# KiCad board travis_erg2024.kicad_pcb-wired-gnd.kicad_pcb
title: travis_erg2024; rev: 2024.03.17; company: Travis Hardiman
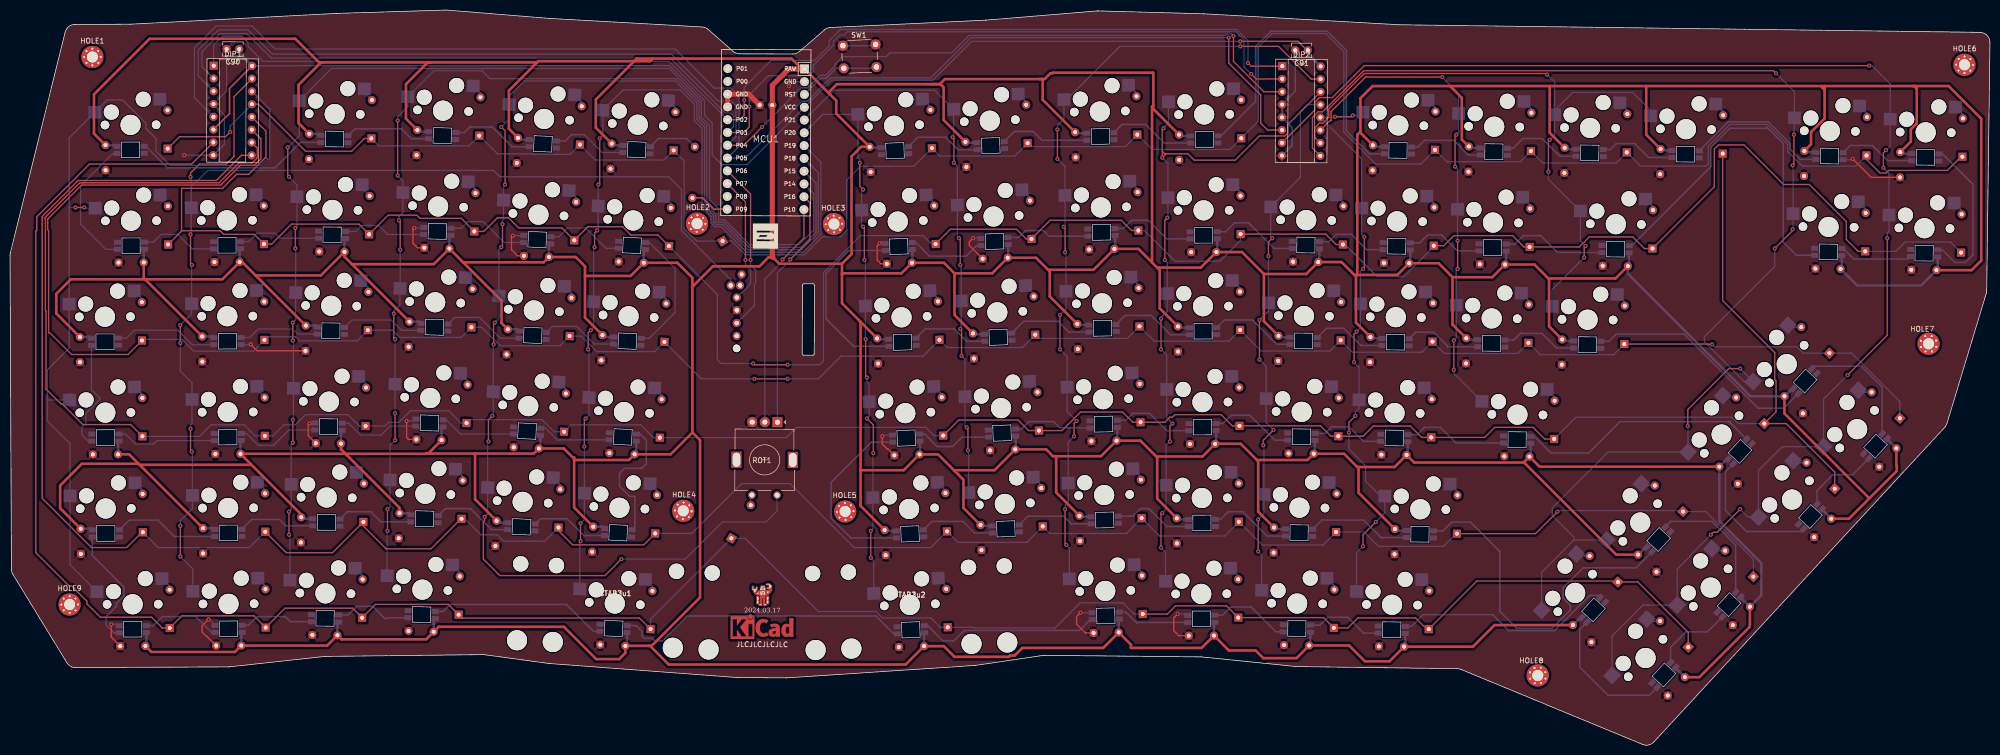
[diagram p0: board, top side]
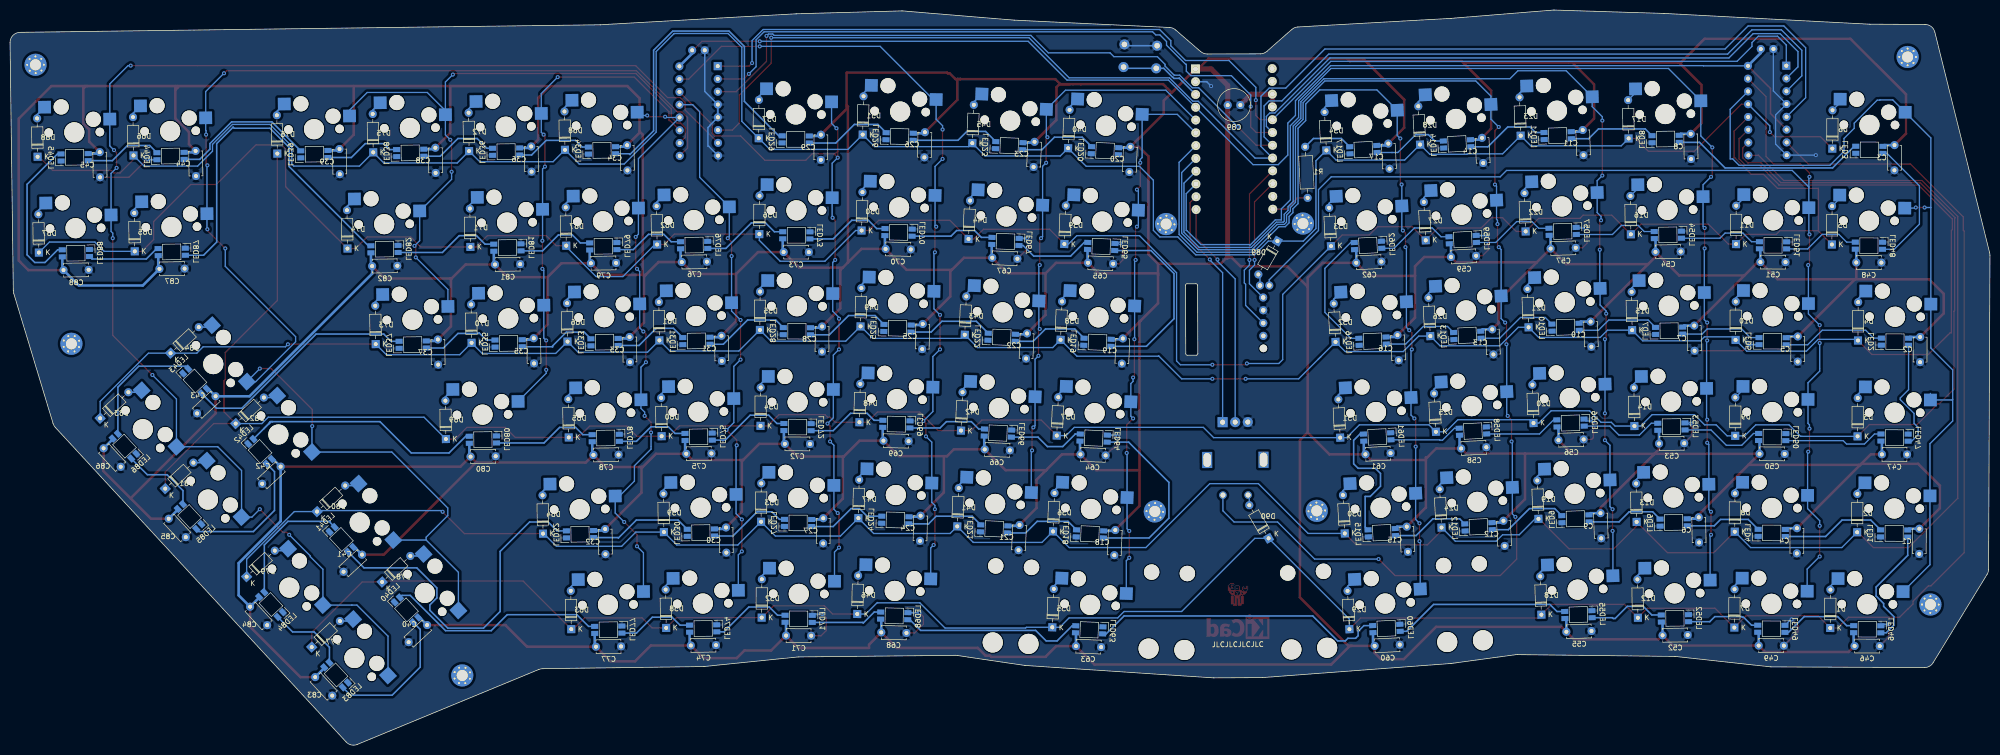
[diagram p1: board, bottom side, seen from below]

Outline 393.31 x 146.01 mm; copper layers: Top, Bottom. Coordinates in mm from the lower left corner of the outline.
Outline path: 0,97.27 arc(0.01,97.52) 0.06,97.76 10.95,141.63 arc(11.66,142.73) 12.88,143.15 23.8,143.2 arc(23.85,143.2) 23.9,143.2 64.73,145.35 arc(64.75,145.35) 64.77,145.35 86.51,146.01 arc(86.62,146.01) 86.74,146.01 107.02,144.36 arc(107.04,144.36) 107.07,144.35 137.48,142.65 arc(138.13,142.5) 138.69,142.15 143.62,137.81 arc(144.23,137.44) 144.94,137.31 155.49,137.28 arc(156.19,137.41) 156.8,137.77 161.77,142.07 arc(162.34,142.41) 162.99,142.56 193.8,144.01 arc(193.84,144.01) 193.87,144.02 215.94,145.84 arc(216.04,145.84) 216.15,145.84 237.1,145.27 arc(237.12,145.27) 237.15,145.27 276,143.09 arc(276.04,143.09) 276.08,143.09 391.33,141.58 arc(392.74,140.97) 393.31,139.55 392.66,90.26 arc(392.64,89.98) 392.58,89.71 384.76,63.87 arc(384.58,63.46) 384.32,63.09 326.54,0.6 arc(325.5,0) 324.31,0.1 288.25,15 arc(287.89,15.11) 287.51,15.15 255.61,15.57 arc(255.52,15.57) 255.43,15.58 236.77,17.48 arc(236.68,17.49) 236.59,17.49 205.47,17.81 arc(205.31,17.8) 205.16,17.78 191.82,15.82 arc(191.75,15.81) 191.66,15.8 154.31,13.34 arc(154.24,13.33) 154.17,13.33 144.57,13.38 arc(144.5,13.38) 144.43,13.39 107.08,16.18 arc(107.02,16.19) 106.96,16.19 94.19,17.93 arc(94.04,17.95) 93.89,17.95 62.58,17.59 arc(62.48,17.59) 62.38,17.58 43.56,15.52 arc(43.46,15.51) 43.35,15.51 13.01,15.38 arc(12.03,15.63) 11.29,16.33 0.57,33.9 arc(0.35,34.39) 0.27,34.93 0,97.27

## Placement (name value [footprint] x y rotation side)
C1  -  [C_Disc_D4.7mm_W2.5mm_P5.00mm]  14.02 42.96 270.2 bottom
C2  -  [C_Disc_D4.7mm_W2.5mm_P5.00mm]  13.86 81.06 270.2 bottom
C3  -  [C_Disc_D4.7mm_W2.5mm_P5.00mm]  18.95 119.18 270.2 bottom
C4  -  [C_Disc_D4.7mm_W2.5mm_P5.00mm]  38.34 43.06 270.2 bottom
C5  -  [C_Disc_D4.7mm_W2.5mm_P5.00mm]  38.17 81.16 270.2 bottom
C6  -  [C_Disc_D4.7mm_W2.5mm_P5.00mm]  57.84 45.23 269.2 bottom
C7  -  [C_Disc_D4.7mm_W2.5mm_P5.00mm]  58.74 83.32 269.2 bottom
C8  -  [C_Disc_D4.7mm_W2.5mm_P5.00mm]  59.44 121.41 269.2 bottom
C9  -  [C_Disc_D4.7mm_W2.5mm_P5.00mm]  77.37 46.05 268.2 bottom
C10  -  [C_Disc_D4.7mm_W2.5mm_P5.00mm]  79.33 84.11 268.2 bottom
C11  -  [C_Disc_D4.7mm_W2.5mm_P5.00mm]  80.89 122.18 268.2 bottom
C12  -  [C_Disc_D4.7mm_W2.5mm_P5.00mm]  96.64 44.54 267.2 bottom
C13  -  [C_Disc_D4.7mm_W2.5mm_P5.00mm]  98.87 82.58 267.2 bottom
C14  -  [C_Disc_D4.7mm_W2.5mm_P5.00mm]  100.9 120.62 267.2 bottom
C15  -  [C_Disc_D4.7mm_W2.5mm_P5.00mm]  115.86 43.37 267.2 bottom
C16  -  [C_Disc_D4.7mm_W2.5mm_P5.00mm]  117.69 81.42 267.2 bottom
C17  -  [C_Disc_D4.7mm_W2.5mm_P5.00mm]  119.51 119.48 267.2 bottom
C18  -  [C_Disc_D4.7mm_W2.5mm_P5.00mm]  173.75 42.7 272.2 bottom
C19  -  [C_Disc_D4.7mm_W2.5mm_P5.00mm]  172.25 80.77 272.2 bottom
C20  -  [C_Disc_D4.7mm_W2.5mm_P5.00mm]  170.76 118.84 272.2 bottom
C21  -  [C_Disc_D4.7mm_W2.5mm_P5.00mm]  192.78 43.69 272.2 bottom
C22  -  [C_Disc_D4.7mm_W2.5mm_P5.00mm]  191.28 81.76 272.2 bottom
C23  -  [C_Disc_D4.7mm_W2.5mm_P5.00mm]  189.78 119.83 272.2 bottom
C24  -  [C_Disc_D4.7mm_W2.5mm_P5.00mm]  212.43 45.54 271.2 bottom
C25  -  [C_Disc_D4.7mm_W2.5mm_P5.00mm]  212 83.64 271.2 bottom
C26  -  [C_Disc_D4.7mm_W2.5mm_P5.00mm]  211.57 121.74 271.2 bottom
C27  -  [C_Disc_D4.7mm_W2.5mm_P5.00mm]  231.76 45.04 270.2 bottom
C28  -  [C_Disc_D4.7mm_W2.5mm_P5.00mm]  231.99 83.15 270.2 bottom
C29  -  [C_Disc_D4.7mm_W2.5mm_P5.00mm]  232.23 121.25 270.2 bottom
C30  -  [C_Disc_D4.7mm_W2.5mm_P5.00mm]  251.08 43.21 269.2 bottom
C31  -  [C_Disc_D4.7mm_W2.5mm_P5.00mm]  251.98 81.3 269.2 bottom
C32  -  [C_Disc_D4.7mm_W2.5mm_P5.00mm]  275.09 42.89 269.2 bottom
C33  -  [C_Disc_D4.7mm_W2.5mm_P5.00mm]  270.23 81.06 269.2 bottom
C34  -  [C_Disc_D4.7mm_W2.5mm_P5.00mm]  270.73 119.16 269.2 bottom
C35  -  [C_Disc_D4.7mm_W2.5mm_P5.00mm]  289.28 80.81 269.2 bottom
C36  -  [C_Disc_D4.7mm_W2.5mm_P5.00mm]  289.78 118.91 269.2 bottom
C37  -  [C_Disc_D4.7mm_W2.5mm_P5.00mm]  308.33 80.56 269.2 bottom
C38  -  [C_Disc_D4.7mm_W2.5mm_P5.00mm]  308.82 118.66 269.2 bottom
C39  -  [C_Disc_D4.7mm_W2.5mm_P5.00mm]  327.87 118.41 269.2 bottom
C40  -  [C_Disc_D4.7mm_W2.5mm_P5.00mm]  310.46 23.82 317.2 bottom
C41  -  [C_Disc_D4.7mm_W2.5mm_P5.00mm]  323.39 37.81 317.2 bottom
C42  -  [C_Disc_D4.7mm_W2.5mm_P5.00mm]  339.55 55.29 317.2 bottom
C43  -  [C_Disc_D4.7mm_W2.5mm_P5.00mm]  352.48 69.28 317.2 bottom
C44  -  [C_Disc_D4.7mm_W2.5mm_P5.00mm]  356.45 118.03 269.2 bottom
C45  -  [C_Disc_D4.7mm_W2.5mm_P5.00mm]  375.49 117.78 269.2 bottom
C46  -  [C_Disc_D4.7mm_W2.5mm_P5.00mm]  26.89 19.66 180.2 bottom
C47  -  [C_Disc_D4.7mm_W2.5mm_P5.00mm]  21.46 57.74 180.2 bottom
C48  -  [C_Disc_D4.7mm_W2.5mm_P5.00mm]  26.56 95.86 180.2 bottom
C49  -  [C_Disc_D4.7mm_W2.5mm_P5.00mm]  45.94 19.75 180.2 bottom
C50  -  [C_Disc_D4.7mm_W2.5mm_P5.00mm]  45.77 57.85 180.2 bottom
C51  -  [C_Disc_D4.7mm_W2.5mm_P5.00mm]  45.61 95.94 180.2 bottom
C52  -  [C_Disc_D4.7mm_W2.5mm_P5.00mm]  65.03 21.78 179.2 bottom
C53  -  [C_Disc_D4.7mm_W2.5mm_P5.00mm]  65.73 59.88 179.2 bottom
C54  -  [C_Disc_D4.7mm_W2.5mm_P5.00mm]  66.43 97.97 179.2 bottom
C55  -  [C_Disc_D4.7mm_W2.5mm_P5.00mm]  84.15 22.48 178.2 bottom
C56  -  [C_Disc_D4.7mm_W2.5mm_P5.00mm]  85.71 60.55 178.2 bottom
C57  -  [C_Disc_D4.7mm_W2.5mm_P5.00mm]  87.28 98.62 178.2 bottom
C58  -  [C_Disc_D4.7mm_W2.5mm_P5.00mm]  105.04 58.9 177.2 bottom
C59  -  [C_Disc_D4.7mm_W2.5mm_P5.00mm]  107.07 96.95 177.2 bottom
C60  -  [C_Disc_D4.7mm_W2.5mm_P5.00mm]  122.23 19.68 177.2 bottom
C61  -  [C_Disc_D4.7mm_W2.5mm_P5.00mm]  124.06 57.74 177.2 bottom
C62  -  [C_Disc_D4.7mm_W2.5mm_P5.00mm]  125.89 95.8 177.2 bottom
C63  -  [C_Disc_D4.7mm_W2.5mm_P5.00mm]  181.56 19.63 182.2 bottom
C64  -  [C_Disc_D4.7mm_W2.5mm_P5.00mm]  180.67 57.73 182.2 bottom
C65  -  [C_Disc_D4.7mm_W2.5mm_P5.00mm]  179.17 95.8 182.2 bottom
C66  -  [C_Disc_D4.7mm_W2.5mm_P5.00mm]  199.69 58.73 182.2 bottom
C67  -  [C_Disc_D4.7mm_W2.5mm_P5.00mm]  198.2 96.8 182.2 bottom
C68  -  [C_Disc_D4.7mm_W2.5mm_P5.00mm]  220.24 22.36 181.2 bottom
C69  -  [C_Disc_D4.7mm_W2.5mm_P5.00mm]  219.81 60.46 181.2 bottom
C70  -  [C_Disc_D4.7mm_W2.5mm_P5.00mm]  219.38 98.56 181.2 bottom
C71  -  [C_Disc_D4.7mm_W2.5mm_P5.00mm]  239.16 21.73 180.2 bottom
C72  -  [C_Disc_D4.7mm_W2.5mm_P5.00mm]  239.4 59.83 180.2 bottom
C73  -  [C_Disc_D4.7mm_W2.5mm_P5.00mm]  239.63 97.93 180.2 bottom
C74  -  [C_Disc_D4.7mm_W2.5mm_P5.00mm]  258.08 19.76 179.2 bottom
C75  -  [C_Disc_D4.7mm_W2.5mm_P5.00mm]  258.97 57.85 179.2 bottom
C76  -  [C_Disc_D4.7mm_W2.5mm_P5.00mm]  259.87 95.95 179.2 bottom
C77  -  [C_Disc_D4.7mm_W2.5mm_P5.00mm]  276.92 19.52 179.2 bottom
C78  -  [C_Disc_D4.7mm_W2.5mm_P5.00mm]  277.42 57.61 179.2 bottom
C79  -  [C_Disc_D4.7mm_W2.5mm_P5.00mm]  277.92 95.71 179.2 bottom
C80  -  [C_Disc_D4.7mm_W2.5mm_P5.00mm]  301.83 57.29 179.2 bottom
C81  -  [C_Disc_D4.7mm_W2.5mm_P5.00mm]  296.97 95.46 179.2 bottom
C82  -  [C_Disc_D4.7mm_W2.5mm_P5.00mm]  321.38 95.14 179.2 bottom
C83  -  [C_Disc_D4.7mm_W2.5mm_P5.00mm]  332.69 13.47 227.2 bottom
C84  -  [C_Disc_D4.7mm_W2.5mm_P5.00mm]  345.63 27.46 227.2 bottom
C85  -  [C_Disc_D4.7mm_W2.5mm_P5.00mm]  361.79 44.95 227.2 bottom
C86  -  [C_Disc_D4.7mm_W2.5mm_P5.00mm]  374.72 58.94 227.2 bottom
C87  -  [C_Disc_D4.7mm_W2.5mm_P5.00mm]  363.64 94.59 179.2 bottom
C88  -  [C_Disc_D4.7mm_W2.5mm_P5.00mm]  382.69 94.34 179.2 bottom
C89  -  [C_Radial_D6.3mm_H11.0mm_P2.50mm]  151.42 127.13 179.8 bottom
C90  -  [C_Disc_D3.8mm_W2.6mm_P2.50mm]  45.52 138.27 179.8 top
C91  -  [C_Disc_D3.8mm_W2.6mm_P2.50mm]  257.81 138.02 179.8 top
D1  1N4148  [Diode_DO-35]  31.72 23.23 90.2 bottom
D2  1N4148  [Diode_DO-35]  26.38 42.26 90.2 bottom
D3  1N4148  [Diode_DO-35]  26.29 61.31 90.2 bottom
D4  1N4148  [Diode_DO-35]  26.21 80.36 90.2 bottom
D5  1N4148  [Diode_DO-35]  31.39 99.43 90.2 bottom
D6  1N4148  [Diode_DO-35]  31.31 118.48 90.2 bottom
D7  1N4148  [Diode_DO-35]  50.77 23.32 90.2 bottom
D8  1N4148  [Diode_DO-35]  50.69 42.37 90.2 bottom
D9  1N4148  [Diode_DO-35]  50.61 61.42 90.2 bottom
D10  1N4148  [Diode_DO-35]  50.52 80.47 90.2 bottom
D11  1N4148  [Diode_DO-35]  50.44 99.52 90.2 bottom
D12  1N4148  [Diode_DO-35]  69.93 25.27 89.2 bottom
D13  1N4148  [Diode_DO-35]  70.18 44.32 89.2 bottom
D14  1N4148  [Diode_DO-35]  70.63 63.36 89.2 bottom
D15  1N4148  [Diode_DO-35]  71.08 82.41 89.2 bottom
D16  1N4148  [Diode_DO-35]  71.33 101.46 89.2 bottom
D17  1N4148  [Diode_DO-35]  71.78 120.5 89.2 bottom
D18  1N4148  [Diode_DO-35]  89.11 25.88 88.2 bottom
D19  1N4148  [Diode_DO-35]  89.69 44.92 88.2 bottom
D20  1N4148  [Diode_DO-35]  90.67 63.95 88.2 bottom
D21  1N4148  [Diode_DO-35]  91.65 82.98 88.2 bottom
D22  1N4148  [Diode_DO-35]  92.23 102.02 88.2 bottom
D23  1N4148  [Diode_DO-35]  93.21 121.05 88.2 bottom
D24  1N4148  [Diode_DO-35]  108.94 43.2 87.2 bottom
D25  1N4148  [Diode_DO-35]  110.06 62.22 87.2 bottom
D26  1N4148  [Diode_DO-35]  111.17 81.24 87.2 bottom
D27  1N4148  [Diode_DO-35]  112.08 100.26 87.2 bottom
D28  1N4148  [Diode_DO-35]  113.2 119.28 87.2 bottom
D29  1N4148  [Diode_DO-35]  127.24 23 87.2 bottom
D30  1N4148  [Diode_DO-35]  128.16 42.03 87.2 bottom
D31  1N4148  [Diode_DO-35]  129.07 61.05 87.2 bottom
D32  1N4148  [Diode_DO-35]  129.99 80.08 87.2 bottom
D33  1N4148  [Diode_DO-35]  130.9 99.11 87.2 bottom
D34  1N4148  [Diode_DO-35]  131.81 118.14 87.2 bottom
D35  1N4148  [Diode_DO-35]  186.27 23.37 92.2 bottom
D36  1N4148  [Diode_DO-35]  186.12 42.43 92.2 bottom
D37  1N4148  [Diode_DO-35]  185.37 61.47 92.2 bottom
D38  1N4148  [Diode_DO-35]  184.62 80.5 92.2 bottom
D39  1N4148  [Diode_DO-35]  183.88 99.54 92.2 bottom
D40  1N4148  [Diode_DO-35]  183.13 118.57 92.2 bottom
D41  1N4148  [Diode_DO-35]  205.15 43.43 92.2 bottom
D42  1N4148  [Diode_DO-35]  204.4 62.46 92.2 bottom
D43  1N4148  [Diode_DO-35]  203.65 81.5 92.2 bottom
D44  1N4148  [Diode_DO-35]  202.9 100.53 92.2 bottom
D45  1N4148  [Diode_DO-35]  202.15 119.57 92.2 bottom
D46  1N4148  [Diode_DO-35]  225.01 26.01 91.2 bottom
D47  1N4148  [Diode_DO-35]  224.8 45.06 91.2 bottom
D48  1N4148  [Diode_DO-35]  224.58 64.11 91.2 bottom
D49  1N4148  [Diode_DO-35]  224.36 83.16 91.2 bottom
D50  1N4148  [Diode_DO-35]  224.15 102.21 91.2 bottom
D51  1N4148  [Diode_DO-35]  223.93 121.26 91.2 bottom
D52  1N4148  [Diode_DO-35]  244 25.3 90.2 bottom
D53  1N4148  [Diode_DO-35]  244.11 44.35 90.2 bottom
D54  1N4148  [Diode_DO-35]  244.23 63.4 90.2 bottom
D55  1N4148  [Diode_DO-35]  244.35 82.45 90.2 bottom
D56  1N4148  [Diode_DO-35]  244.46 101.5 90.2 bottom
D57  1N4148  [Diode_DO-35]  244.58 120.55 90.2 bottom
D58  1N4148  [Diode_DO-35]  262.97 23.25 89.2 bottom
D59  1N4148  [Diode_DO-35]  263.42 42.29 89.2 bottom
D60  1N4148  [Diode_DO-35]  263.87 61.34 89.2 bottom
D61  1N4148  [Diode_DO-35]  264.32 80.39 89.2 bottom
D62  1N4148  [Diode_DO-35]  264.77 99.43 89.2 bottom
D63  1N4148  [Diode_DO-35]  281.82 23 89.2 bottom
D64  1N4148  [Diode_DO-35]  287.43 41.98 89.2 bottom
D65  1N4148  [Diode_DO-35]  282.32 61.1 89.2 bottom
D66  1N4148  [Diode_DO-35]  282.57 80.15 89.2 bottom
D67  1N4148  [Diode_DO-35]  282.82 99.2 89.2 bottom
D68  1N4148  [Diode_DO-35]  283.07 118.24 89.2 bottom
D69  1N4148  [Diode_DO-35]  306.73 60.78 89.2 bottom
D70  1N4148  [Diode_DO-35]  301.62 79.9 89.2 bottom
D71  1N4148  [Diode_DO-35]  301.87 98.95 89.2 bottom
D72  1N4148  [Diode_DO-35]  302.12 117.99 89.2 bottom
D73  1N4148  [Diode_DO-35]  320.67 79.65 89.2 bottom
D74  1N4148  [Diode_DO-35]  326.28 98.63 89.2 bottom
D75  1N4148  [Diode_DO-35]  321.16 117.75 89.2 bottom
D76  1N4148  [Diode_DO-35]  340.21 117.5 89.2 bottom
D77  1N4148  [Diode_DO-35]  333.38 19.45 137.2 bottom
D78  1N4148  [Diode_DO-35]  319.39 32.38 137.2 bottom
D79  1N4148  [Diode_DO-35]  346.31 33.43 137.2 bottom
D80  1N4148  [Diode_DO-35]  332.32 46.37 137.2 bottom
D81  1N4148  [Diode_DO-35]  362.48 50.92 137.2 bottom
D82  1N4148  [Diode_DO-35]  348.49 63.85 137.2 bottom
D83  1N4148  [Diode_DO-35]  375.41 64.91 137.2 bottom
D84  1N4148  [Diode_DO-35]  361.42 77.84 137.2 bottom
D85  1N4148  [Diode_DO-35]  368.54 98.07 89.2 bottom
D86  1N4148  [Diode_DO-35]  368.79 117.12 89.2 bottom
D87  1N4148  [Diode_DO-35]  387.58 97.82 89.2 bottom
D88  1N4148  [Diode_DO-35]  387.83 116.87 89.2 bottom
D89  1N4148  [Diode_DO-35]  141.55 100.11 299.8 bottom
D90  1N4148  [Diode_DO-35]  143.29 41.05 59.8 bottom
DIP1  -  [DIP-16_W7.62mm_Socket]  40.45 134.96 359.8 top
DIP2  -  [DIP-16_W7.62mm_Socket]  252.73 134.87 359.8 top
HOLE1  -  [MountingHole_2.2mm_M2_Pad_Via]  16.35 136.69 0.2 top
HOLE2  -  [MountingHole_2.2mm_M2_Pad_Via]  136.47 103.6 357.2 top
HOLE3  -  [MountingHole_2.2mm_M2_Pad_Via]  163.66 103.5 2.2 top
HOLE4  -  [MountingHole_2.2mm_M2_Pad_Via]  133.73 46.51 357.2 top
HOLE5  -  [MountingHole_2.2mm_M2_Pad_Via]  165.9 46.39 2.2 top
HOLE6  -  [MountingHole_2.2mm_M2_Pad_Via]  388.25 135.14 359.2 top
HOLE7  -  [MountingHole_2.2mm_M2_Pad_Via]  381.12 79.71 23.2 top
HOLE8  -  [MountingHole_2.2mm_M2_Pad_Via]  303.48 13.81 23.2 top
HOLE9  -  [MountingHole_2.2mm_M2_Pad_Via]  11.83 27.9 0.2 top
LED1  -  [led_SK6812mini-e (per-keysingle-side)]  19.03 42.02 180.2 bottom
LED2  -  [led_SK6812mini-e (per-keysingle-side)]  18.86 80.12 180.2 bottom
LED3  -  [led_SK6812mini-e (per-keysingle-side)]  23.96 118.24 180.2 bottom
LED4  -  [led_SK6812mini-e (per-keysingle-side)]  43.34 42.12 180.2 bottom
LED5  -  [led_SK6812mini-e (per-keysingle-side)]  43.17 80.22 180.2 bottom
LED6  -  [led_SK6812mini-e (per-keysingle-side)]  62.83 44.2 179.2 bottom
LED7  -  [led_SK6812mini-e (per-keysingle-side)]  63.73 82.3 179.2 bottom
LED8  -  [led_SK6812mini-e (per-keysingle-side)]  64.43 120.39 179.2 bottom
LED9  -  [led_SK6812mini-e (per-keysingle-side)]  82.34 44.94 178.2 bottom
LED10  -  [led_SK6812mini-e (per-keysingle-side)]  84.3 83 178.2 bottom
LED11  -  [led_SK6812mini-e (per-keysingle-side)]  85.86 121.07 178.2 bottom
LED12  -  [led_SK6812mini-e (per-keysingle-side)]  101.59 43.34 177.2 bottom
LED13  -  [led_SK6812mini-e (per-keysingle-side)]  103.82 81.38 177.2 bottom
LED14  -  [led_SK6812mini-e (per-keysingle-side)]  105.85 119.42 177.2 bottom
LED15  -  [led_SK6812mini-e (per-keysingle-side)]  120.81 42.17 177.2 bottom
LED16  -  [led_SK6812mini-e (per-keysingle-side)]  122.63 80.22 177.2 bottom
LED17  -  [led_SK6812mini-e (per-keysingle-side)]  124.46 118.28 177.2 bottom
LED18  -  [led_SK6812mini-e (per-keysingle-side)]  178.78 41.93 182.2 bottom
LED19  -  [led_SK6812mini-e (per-keysingle-side)]  177.29 80 182.2 bottom
LED20  -  [led_SK6812mini-e (per-keysingle-side)]  175.79 118.07 182.2 bottom
LED21  -  [led_SK6812mini-e (per-keysingle-side)]  197.81 42.93 182.2 bottom
LED22  -  [led_SK6812mini-e (per-keysingle-side)]  196.31 81 182.2 bottom
LED23  -  [led_SK6812mini-e (per-keysingle-side)]  194.82 119.07 182.2 bottom
LED24  -  [led_SK6812mini-e (per-keysingle-side)]  217.45 44.69 181.2 bottom
LED25  -  [led_SK6812mini-e (per-keysingle-side)]  217.02 82.79 181.2 bottom
LED26  -  [led_SK6812mini-e (per-keysingle-side)]  216.59 120.89 181.2 bottom
LED27  -  [led_SK6812mini-e (per-keysingle-side)]  236.76 44.11 180.2 bottom
LED28  -  [led_SK6812mini-e (per-keysingle-side)]  237 82.21 180.2 bottom
LED29  -  [led_SK6812mini-e (per-keysingle-side)]  237.23 120.31 180.2 bottom
LED30  -  [led_SK6812mini-e (per-keysingle-side)]  256.07 42.18 179.2 bottom
LED31  -  [led_SK6812mini-e (per-keysingle-side)]  256.97 80.27 179.2 bottom
LED32  -  [led_SK6812mini-e (per-keysingle-side)]  280.08 41.87 179.2 bottom
LED33  -  [led_SK6812mini-e (per-keysingle-side)]  275.22 80.03 179.2 bottom
LED34  -  [led_SK6812mini-e (per-keysingle-side)]  275.72 118.13 179.2 bottom
LED35  -  [led_SK6812mini-e (per-keysingle-side)]  294.26 79.78 179.2 bottom
LED36  -  [led_SK6812mini-e (per-keysingle-side)]  294.76 117.88 179.2 bottom
LED37  -  [led_SK6812mini-e (per-keysingle-side)]  313.31 79.53 179.2 bottom
LED38  -  [led_SK6812mini-e (per-keysingle-side)]  313.81 117.63 179.2 bottom
LED39  -  [led_SK6812mini-e (per-keysingle-side)]  332.86 117.38 179.2 bottom
LED40  -  [led_SK6812mini-e (per-keysingle-side)]  314.56 26.84 227.2 bottom
LED41  -  [led_SK6812mini-e (per-keysingle-side)]  327.49 40.83 227.2 bottom
LED42  -  [led_SK6812mini-e (per-keysingle-side)]  343.65 58.31 227.2 bottom
LED43  -  [led_SK6812mini-e (per-keysingle-side)]  356.58 72.3 227.2 bottom
LED44  -  [led_SK6812mini-e (per-keysingle-side)]  361.43 117.01 179.2 bottom
LED45  -  [led_SK6812mini-e (per-keysingle-side)]  380.48 116.76 179.2 bottom
LED46  -  [led_SK6812mini-e (per-keysingle-side)]  24.37 22.99 0.2 bottom
LED47  -  [led_SK6812mini-e (per-keysingle-side)]  18.95 61.07 0.2 bottom
LED48  -  [led_SK6812mini-e (per-keysingle-side)]  24.04 99.19 0.2 bottom
LED49  -  [led_SK6812mini-e (per-keysingle-side)]  43.42 23.07 0.2 bottom
LED50  -  [led_SK6812mini-e (per-keysingle-side)]  43.26 61.17 0.2 bottom
LED51  -  [led_SK6812mini-e (per-keysingle-side)]  43.09 99.27 0.2 bottom
LED52  -  [led_SK6812mini-e (per-keysingle-side)]  62.58 25.16 359.2 bottom
LED53  -  [led_SK6812mini-e (per-keysingle-side)]  63.28 63.25 359.2 bottom
LED54  -  [led_SK6812mini-e (per-keysingle-side)]  63.98 101.34 359.2 bottom
LED55  -  [led_SK6812mini-e (per-keysingle-side)]  81.75 25.9 358.2 bottom
LED56  -  [led_SK6812mini-e (per-keysingle-side)]  83.32 63.97 358.2 bottom
LED57  -  [led_SK6812mini-e (per-keysingle-side)]  84.88 102.04 358.2 bottom
LED58  -  [led_SK6812mini-e (per-keysingle-side)]  102.7 62.36 357.2 bottom
LED59  -  [led_SK6812mini-e (per-keysingle-side)]  104.73 100.41 357.2 bottom
LED60  -  [led_SK6812mini-e (per-keysingle-side)]  119.89 23.14 357.2 bottom
LED61  -  [led_SK6812mini-e (per-keysingle-side)]  121.72 61.2 357.2 bottom
LED62  -  [led_SK6812mini-e (per-keysingle-side)]  123.55 99.25 357.2 bottom
LED63  -  [led_SK6812mini-e (per-keysingle-side)]  178.93 22.87 2.2 bottom
LED64  -  [led_SK6812mini-e (per-keysingle-side)]  178.04 60.97 2.2 bottom
LED65  -  [led_SK6812mini-e (per-keysingle-side)]  176.54 99.04 2.2 bottom
LED66  -  [led_SK6812mini-e (per-keysingle-side)]  197.06 61.97 2.2 bottom
LED67  -  [led_SK6812mini-e (per-keysingle-side)]  195.57 100.04 2.2 bottom
LED68  -  [led_SK6812mini-e (per-keysingle-side)]  217.67 25.64 1.2 bottom
LED69  -  [led_SK6812mini-e (per-keysingle-side)]  217.24 63.74 1.2 bottom
LED70  -  [led_SK6812mini-e (per-keysingle-side)]  216.8 101.84 1.2 bottom
LED71  -  [led_SK6812mini-e (per-keysingle-side)]  236.65 25.05 0.2 bottom
LED72  -  [led_SK6812mini-e (per-keysingle-side)]  236.88 63.16 0.2 bottom
LED73  -  [led_SK6812mini-e (per-keysingle-side)]  237.12 101.26 0.2 bottom
LED74  -  [led_SK6812mini-e (per-keysingle-side)]  255.62 23.13 359.2 bottom
LED75  -  [led_SK6812mini-e (per-keysingle-side)]  256.52 61.23 359.2 bottom
LED76  -  [led_SK6812mini-e (per-keysingle-side)]  257.42 99.32 359.2 bottom
LED77  -  [led_SK6812mini-e (per-keysingle-side)]  274.47 22.89 359.2 bottom
LED78  -  [led_SK6812mini-e (per-keysingle-side)]  274.97 60.98 359.2 bottom
LED79  -  [led_SK6812mini-e (per-keysingle-side)]  275.47 99.08 359.2 bottom
LED80  -  [led_SK6812mini-e (per-keysingle-side)]  299.38 60.67 359.2 bottom
LED81  -  [led_SK6812mini-e (per-keysingle-side)]  294.51 98.83 359.2 bottom
LED82  -  [led_SK6812mini-e (per-keysingle-side)]  318.92 98.51 359.2 bottom
LED83  -  [led_SK6812mini-e (per-keysingle-side)]  328.55 13.91 47.2 bottom
LED84  -  [led_SK6812mini-e (per-keysingle-side)]  341.48 27.89 47.2 bottom
LED85  -  [led_SK6812mini-e (per-keysingle-side)]  357.64 45.38 47.2 bottom
LED86  -  [led_SK6812mini-e (per-keysingle-side)]  370.57 59.37 47.2 bottom
LED87  -  [led_SK6812mini-e (per-keysingle-side)]  361.18 97.96 359.2 bottom
LED88  -  [led_SK6812mini-e (per-keysingle-side)]  380.23 97.71 359.2 bottom
LOGO1  -  [ergogen]  150.05 101.1 359.8 top
LOGO2  -  [travis]  149.42 24.96 359.8 top
MCU1  -  [ProMicro]  150.14 120.38 269.8 top
R1  -  [R_Axial_DIN0207_L6.3mm_D2.5mm_P10.16mm_Horizontal]  135.54 108.7 87.2 bottom
REF**  -  [RollerEncoder_Panasonic_EVQWGD001]  149.98 85.07 359.8 top
ROT1  -  [rotary_encoder]  149.86 56.52 269.8 top
S1  -  [MX]  24.35 27.95 0.2 top
S2  -  [MX]  19.01 46.98 0.2 top
S3  -  [MX]  18.92 66.03 0.2 top
S4  -  [MX]  18.84 85.08 0.2 top
S5  -  [MX]  24.02 104.15 0.2 top
S6  -  [MX]  23.94 123.2 0.2 top
S7  -  [MX]  43.4 28.03 0.2 top
S8  -  [MX]  43.32 47.08 0.2 top
S9  -  [MX]  43.24 66.13 0.2 top
S10  -  [MX]  43.15 85.18 0.2 top
S11  -  [MX]  43.07 104.23 0.2 top
S12  -  [MX]  62.64 30.11 359.2 top
S13  -  [MX]  62.89 49.16 359.2 top
S14  -  [MX]  63.34 68.21 359.2 top
S15  -  [MX]  63.79 87.25 359.2 top
S16  -  [MX]  64.04 106.3 359.2 top
S17  -  [MX]  64.49 125.35 359.2 top
S18  -  [MX]  81.9 30.86 358.2 top
S19  -  [MX]  82.49 49.9 358.2 top
S20  -  [MX]  83.47 68.93 358.2 top
S21  -  [MX]  84.45 87.95 358.2 top
S22  -  [MX]  85.03 107 358.2 top
S23  -  [MX]  86.01 126.02 358.2 top
S24  -  [MX]  101.83 48.3 357.2 top
S25  -  [MX]  102.94 67.31 357.2 top
S26  -  [MX]  104.06 86.33 357.2 top
S27  -  [MX]  104.97 105.36 357.2 top
S28  -  [MX]  106.08 124.38 357.2 top
S29  -  [MX]  120.13 28.09 357.2 top
S30  -  [MX]  121.05 47.12 357.2 top
S31  -  [MX]  121.96 66.15 357.2 top
S32  -  [MX]  122.87 85.18 357.2 top
S33  -  [MX]  123.79 104.21 357.2 top
S34  -  [MX]  124.7 123.23 357.2 top
S35  -  [MX]  178.74 27.83 2.2 top
S36  -  [MX]  178.59 46.89 2.2 top
S37  -  [MX]  177.84 65.92 2.2 top
S38  -  [MX]  177.09 84.96 2.2 top
S39  -  [MX]  176.35 103.99 2.2 top
S40  -  [MX]  175.6 123.03 2.2 top
S41  -  [MX]  197.62 47.89 2.2 top
S42  -  [MX]  196.87 66.92 2.2 top
S43  -  [MX]  196.12 85.96 2.2 top
S44  -  [MX]  195.37 104.99 2.2 top
S45  -  [MX]  194.62 124.03 2.2 top
S46  -  [MX]  217.56 30.6 1.2 top
S47  -  [MX]  217.34 49.65 1.2 top
S48  -  [MX]  217.13 68.7 1.2 top
S49  -  [MX]  216.91 87.75 1.2 top
S50  -  [MX]  216.7 106.8 1.2 top
S51  -  [MX]  216.48 125.85 1.2 top
S52  -  [MX]  236.63 30.01 0.2 top
S53  -  [MX]  236.74 49.07 0.2 top
S54  -  [MX]  236.86 68.12 0.2 top
S55  -  [MX]  236.98 87.17 0.2 top
S56  -  [MX]  237.09 106.22 0.2 top
S57  -  [MX]  237.21 125.27 0.2 top